# Altium PCB PCB_MotherBoard.PcbDoc (part 4 of 4)
Units mm, origin at the board's own origin, x right, y up, seen from the top; angles counter-clockwise.
Board outline 240 x 180 mm, 6 copper layers (Top Layer, Int1 (GND), Int2 (Sign), Int3 (Sign), Int4 (PWR), Bottom Layer), stack 1.481 mm thick; 214 components, 253 nets, 1237 pads, 870 vias.
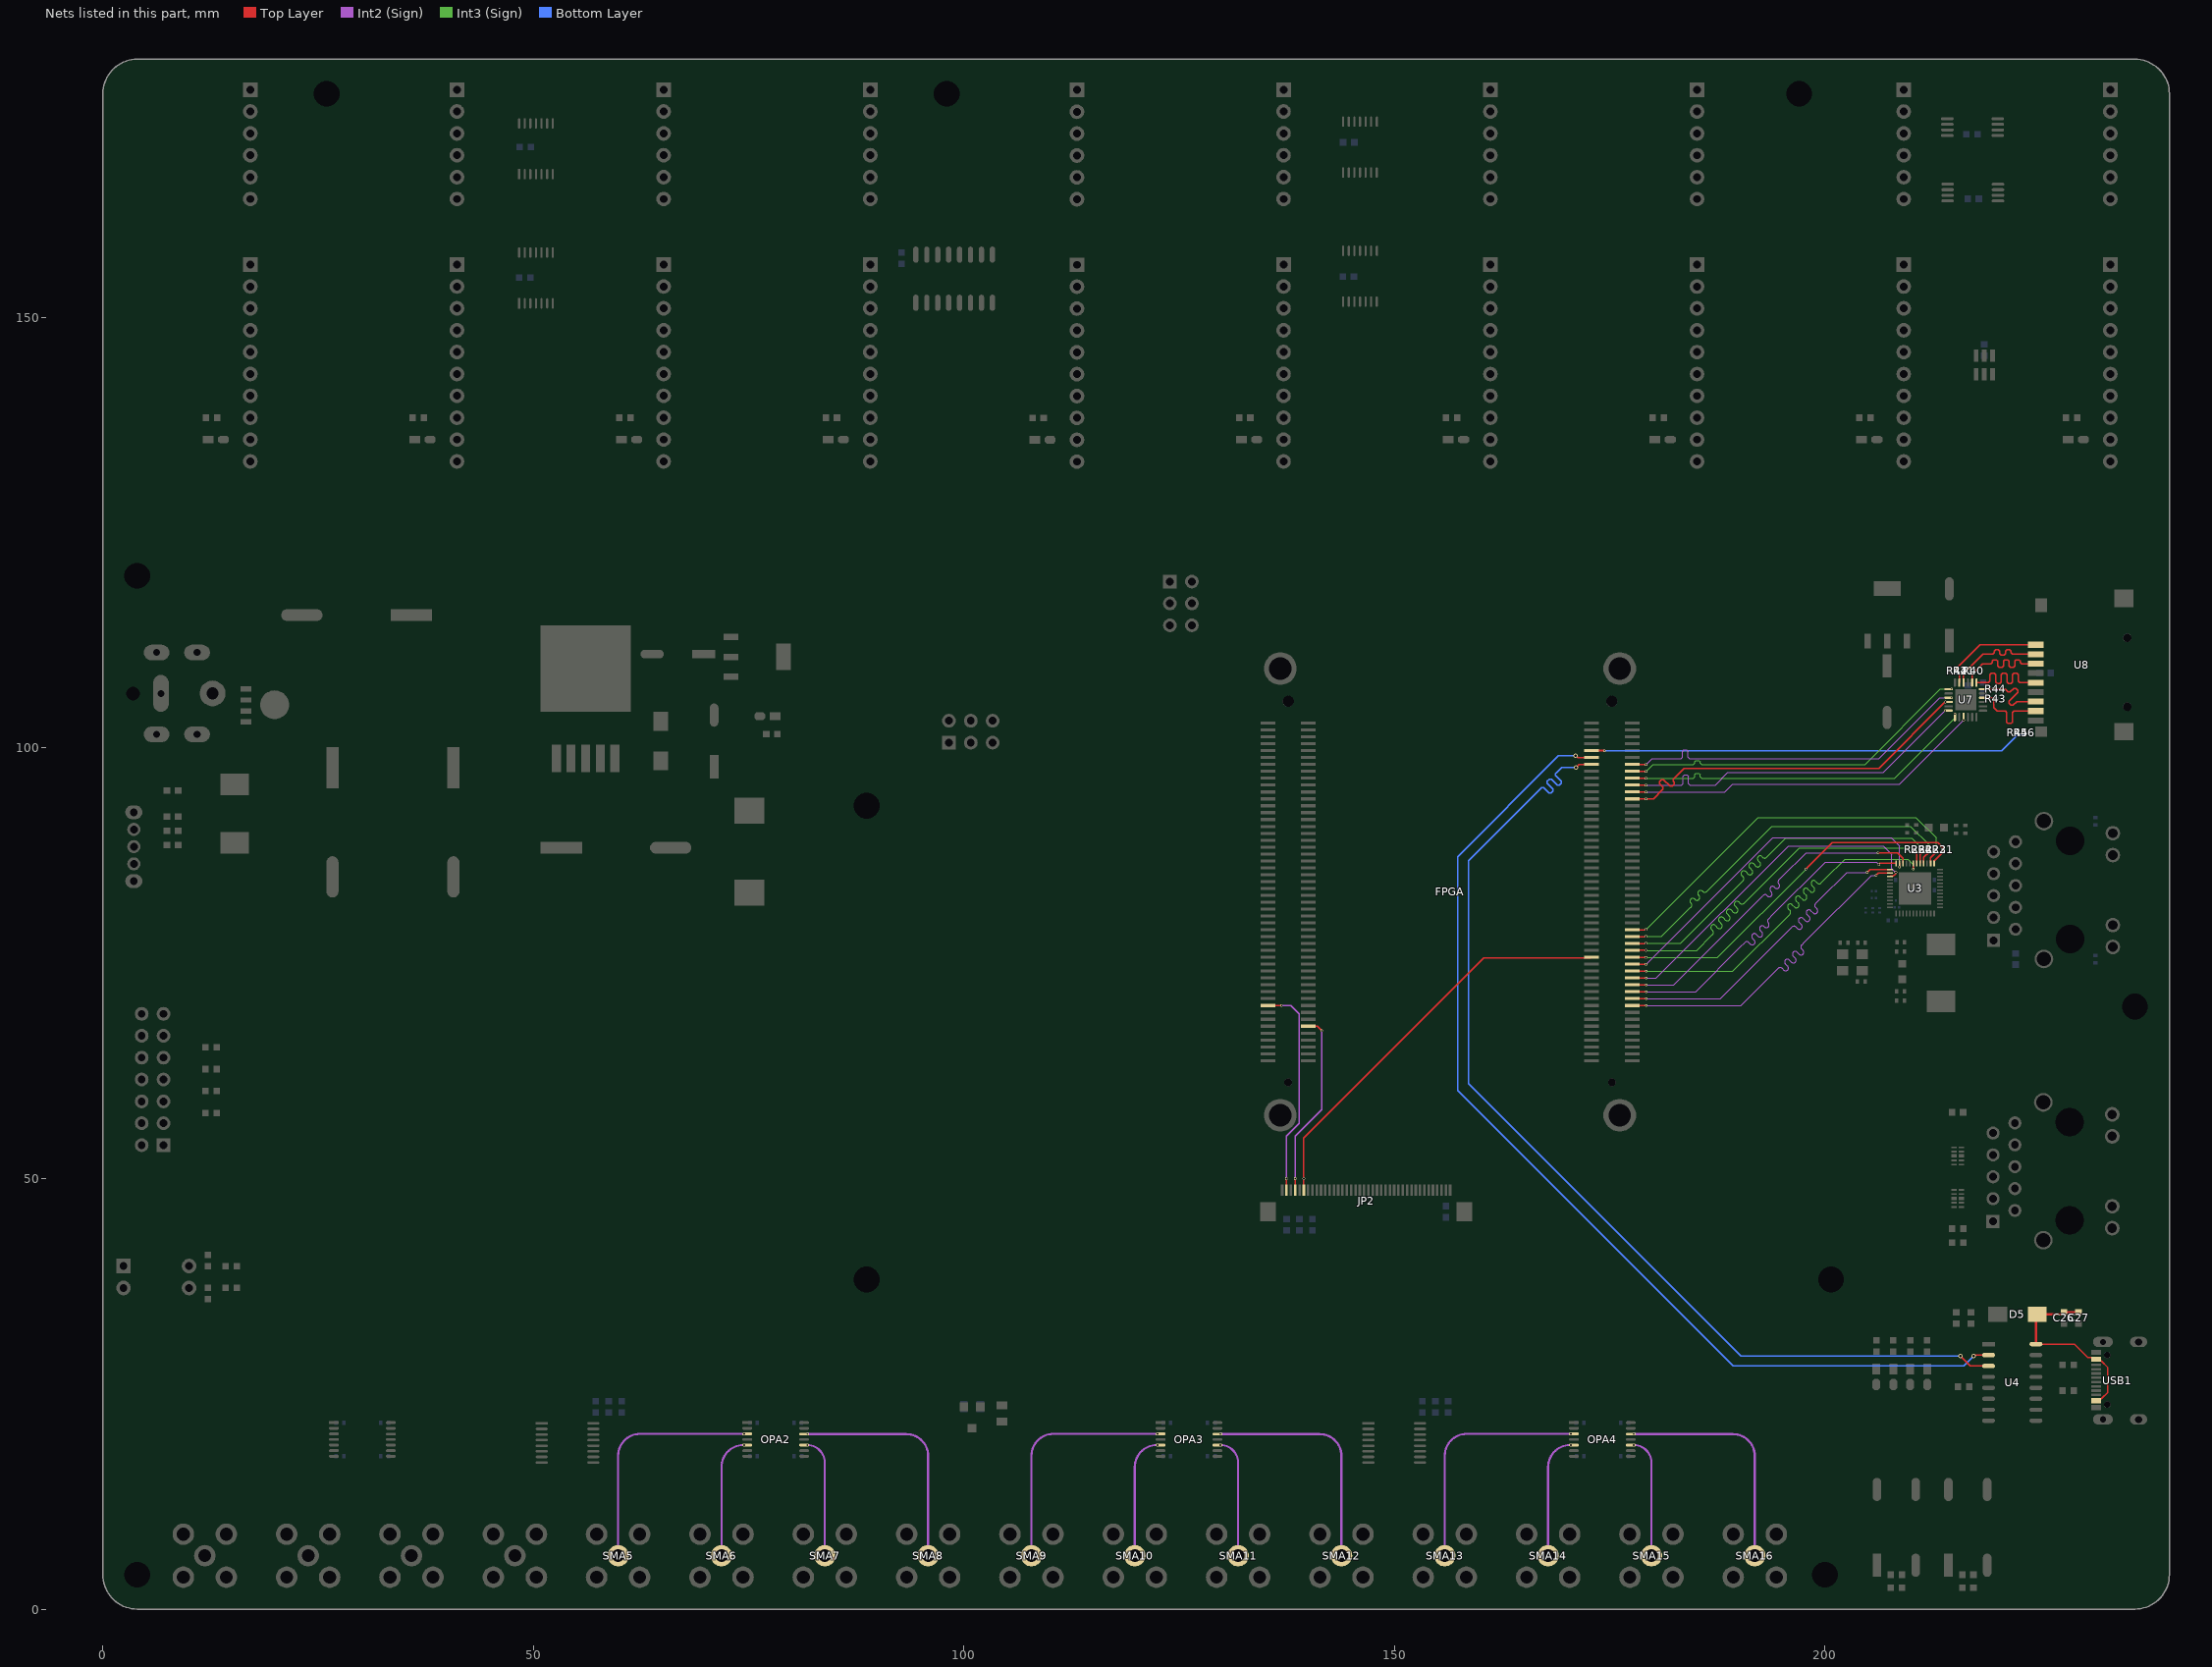
[diagram p8: the nets of this part, all layers, seen from the top]

## Via types
v1: diameter 0.3, hole 0.2, Top Layer to Bottom Layer, tented both sides, 435 vias
v2: diameter 0.5, hole 0.3, Top Layer to Bottom Layer, tented both sides, 268 vias
v3: diameter 0.5, hole 0.3, Top Layer to Bottom Layer, 118 vias
v4: diameter 0.35, hole 0.2, Top Layer to Bottom Layer, tented both sides, 16 vias
v5: diameter 1, hole 0.6, Top Layer to Bottom Layer, tented both sides, 12 vias
v6: diameter 0.45, hole 0.3, Top Layer to Bottom Layer, tented both sides, 12 vias
v7: diameter 0.61, hole 0.305, Top Layer to Bottom Layer, tented both sides, 4 vias
v8: diameter 2, hole 1.5, Top Layer to Bottom Layer, 4 vias
v9: diameter 0.6, hole 0.4, Top Layer to Bottom Layer, tented both sides, 1 vias

## Nets (pads, with @x,y where several pads share a name; then routed paths per layer and width w, separated by ;. In a path a pad name is that pad's centre, name@x,y a point inside that pad or via, vN(x,y) a via of type N, cw(c..) or ccw(c..) an arc to the next point about the centre after c; other vN are vias at no path point) (continued)
RAWIN5: OPA2.3 SMA5.1 | length 27.7
  Int2 (Sign) w0.254: SMA5.1@59.85,6.2 59.85,17.81 cw(c62.39,17.81) 62.39,20.35 v1(74.5,20.35)
RAWIN6: OPA2.5 SMA6.1 | length 14.4
  Int2 (Sign) w0.254: SMA6.1@71.85,6.2 71.85,16.51 cw(c74.39,16.51) 74.39,19.05 v1(74.5,19.05)
RAWIN7: OPA2.10 SMA7.1 | length 14
  Int2 (Sign) w0.254: v1(81.8,19.05) cw(c81.8,17) 83.85,17 SMA7.1@83.85,6.2
RAWIN8: OPA2.12 SMA8.1 | length 27.1
  Int2 (Sign) w0.254: v1(81.8,20.325) 93.31,20.325 cw(c93.31,17.785) 95.85,17.785 SMA8.1@95.85,6.2
RAWIN9: OPA3.3 SMA9.1 | length 27.7
  Int2 (Sign) w0.254: SMA9.1@107.85,6.2 107.85,17.81 cw(c110.39,17.81) 110.39,20.35 v1(122.5,20.35)
RAWIN10: OPA3.5 SMA10.1 | length 14.4
  Int2 (Sign) w0.254: SMA10.1@119.85,6.2 119.85,16.51 cw(c122.39,16.51) 122.39,19.05 v1(122.5,19.05)
RAWIN11: OPA3.10 SMA11.1 | length 14
  Int2 (Sign) w0.254: v1(129.8,19.05) cw(c129.8,17) 131.85,17 SMA11.1@131.85,6.2
RAWIN12: OPA3.12 SMA12.1 | length 27.1
  Int2 (Sign) w0.254: v1(129.8,20.325) 141.31,20.325 cw(c141.31,17.785) 143.85,17.785 SMA12.1@143.85,6.2
RAWIN13: OPA4.3 SMA13.1 | length 27.7
  Int2 (Sign) w0.254: SMA13.1@155.85,6.2 155.85,17.81 cw(c158.39,17.81) 158.39,20.35 v1(170.5,20.35)
RAWIN14: OPA4.5 SMA14.1 | length 14.4
  Int2 (Sign) w0.254: SMA14.1@167.85,6.2 167.85,16.51 cw(c170.39,16.51) 170.39,19.05 v1(170.5,19.05)
RAWIN15: OPA4.10 SMA15.1 | length 14
  Int2 (Sign) w0.254: v1(177.8,19.05) cw(c177.8,17) 179.85,17 SMA15.1@179.85,6.2
RAWIN16: OPA4.12 SMA16.1 | length 27.1
  Int2 (Sign) w0.254: v1(177.8,20.325) 189.31,20.325 cw(c189.31,17.785) 191.85,17.785 SMA16.1@191.85,6.2
RGMII_RXC: FPGA.J2_28 U3.19 | length 45.2
  Top Layer w0.156: FPGA.J2_28@177.6,74.1 177.604,74.096 179.244,74.096 v1(179.248,74.092) ; v1(210.261,85.954) 210.264,85.957 210.264,86.604 U3.19@210.268,86.607
  Int3 (Sign) w0.142: v1(179.248,74.092) 189.306,74.092 195.872,80.658 195.922,80.708 ccw(c195.695,80.935) 195.922,81.162 195.74,81.344 cw(c195.968,81.572) 195.74,81.799 cw(c195.968,81.572) 196.195,81.799 196.458,81.536 ccw(c196.685,81.763) 196.912,81.536 ccw(c196.685,81.763) 196.912,81.99 196.649,82.253 cw(c196.876,82.48) 196.649,82.707 cw(c196.876,82.48) 197.103,82.707 197.366,82.445 ccw(c197.593,82.672) 197.82,82.445 ccw(c197.593,82.672) 197.82,82.899 197.558,83.162 cw(c197.785,83.389) 197.558,83.616 cw(c197.785,83.389) 198.012,83.616 198.275,83.353 ccw(c198.502,83.58) 198.729,83.353 ccw(c198.502,83.58) 198.729,83.808 198.466,84.07 cw(c198.693,84.298) 198.466,84.525 cw(c198.693,84.298) 198.921,84.525 199.103,84.343 ccw(c199.33,84.57) 199.557,84.343 200.127,84.913 202.324,87.109 209.613,87.109 210.261,86.462 v1(210.261,85.954)
RGMII_RXCTL: FPGA.J2_32 R21.2 U3.13 | length 44.1
  Top Layer w0.156: FPGA.J2_32@177.6,75.7 179.189,75.7 v1(179.222,75.667) ; v1(197.79,85.954) 200.838,89.002 213.081,89.002 213.741,88.341 213.741,87.914 212.667,86.84 U3.13@212.667,86.607
  Int3 (Sign) w0.142: v1(179.222,75.667) 187.528,75.667 v1@197.752,85.89
  other v1: 213.741,87.935
RGMII_RXD0: FPGA.J2_40 R23.2 U3.14 | length 45
  Top Layer w0.156: FPGA.J2_40@177.6,78.9 179.205,78.9 v1(179.222,78.918) ; U3.14@212.268,86.607 212.268,87.274 v1(212.928,87.935)
  Int3 (Sign) w0.142: v1(179.222,78.918) 186.068,85.763 187.158,86.854 192.261,91.956 210.558,91.956 212.928,89.586 v1(212.928,87.935)
RGMII_RXD1: FPGA.J2_38 R22.1 U3.16 | length 44.8
  Top Layer w0.156: FPGA.J2_38@177.6,78.1 179.205,78.1 v1(179.222,78.118) ; U3.16@211.467,86.607 211.467,87.287 v1(212.115,87.935)
  Int3 (Sign) w0.142: v1(179.222,78.118) 181.038,78.118 184.391,81.471 184.442,81.521 ccw(c184.215,81.748) 184.442,81.975 184.412,82.005 cw(c184.639,82.232) 184.412,82.459 cw(c184.639,82.232) 184.866,82.459 184.91,82.416 ccw(c185.137,82.643) 185.364,82.416 ccw(c185.137,82.643) 185.364,82.87 185.321,82.913 cw(c185.548,83.141) 185.321,83.368 cw(c185.548,83.141) 185.775,83.368 185.805,83.338 ccw(c186.032,83.565) 186.259,83.338 186.636,83.715 193.834,90.913 209.925,90.913 212.115,88.722 v1(212.115,87.935)
RGMII_RXD2: FPGA.J2_36 R24.2 U3.17 | length 44.9
  Top Layer w0.156: FPGA.J2_36@177.6,77.3 179.205,77.3 v1(179.222,77.318) ; U3.17@211.067,86.607 211.067,87.661 211.303,87.896 v1(211.303,87.935)
  Int3 (Sign) w0.142: v1(179.222,77.318) 183.21,77.318 190.436,84.544 190.487,84.594 ccw(c190.26,84.821) 190.487,85.049 190.35,85.186 cw(c190.577,85.413) 190.35,85.64 cw(c190.577,85.413) 190.804,85.64 191.063,85.381 ccw(c191.29,85.608) 191.517,85.381 ccw(c191.29,85.608) 191.517,85.836 191.258,86.094 cw(c191.485,86.322) 191.258,86.549 cw(c191.485,86.322) 191.713,86.549 191.972,86.29 ccw(c192.199,86.517) 192.426,86.29 ccw(c192.199,86.517) 192.426,86.744 192.241,86.929 cw(c192.469,87.156) 192.241,87.383 cw(c192.469,87.156) 192.696,87.383 192.758,87.32 ccw(c192.986,87.547) 193.213,87.32 193.782,87.889 195.436,89.544 210.075,89.544 211.303,88.316 v1(211.303,87.935)
RGMII_RXD3: FPGA.J2_34 R26.2 U3.18 | length 44.9
  Top Layer w0.156: FPGA.J2_34@177.6,76.5 177.618,76.518 179.209,76.518 v1(179.222,76.505) ; v1(210.49,87.935) 210.49,87.896 210.667,87.718 U3.18@210.667,86.607
  Int3 (Sign) w0.142: v1(179.222,76.505) 185.115,76.505 186.906,78.295 186.956,78.346 ccw(c186.729,78.573) 186.956,78.8 186.825,78.931 cw(c187.052,79.159) 186.825,79.386 cw(c187.052,79.159) 187.279,79.386 187.534,79.131 ccw(c187.761,79.358) 187.988,79.131 ccw(c187.761,79.358) 187.988,79.585 187.734,79.84 cw(c187.961,80.067) 187.734,80.294 cw(c187.961,80.067) 188.188,80.294 188.443,80.04 ccw(c188.67,80.267) 188.897,80.04 ccw(c188.67,80.267) 188.897,80.494 188.642,80.749 cw(c188.869,80.976) 188.642,81.203 cw(c188.869,80.976) 189.097,81.203 189.351,80.948 ccw(c189.578,81.175) 189.806,80.948 ccw(c189.578,81.175) 189.806,81.403 189.551,81.657 cw(c189.778,81.885) 189.551,82.112 cw(c189.778,81.885) 190.005,82.112 190.136,81.98 ccw(c190.364,82.208) 190.591,81.98 191.153,82.542 197.01,88.4 210.057,88.4 210.49,87.967 v1(210.49,87.935)
RGMII_TXC: FPGA.J2_24 U3.22 | length 40.4
  Top Layer w0.156: FPGA.J2_24@177.6,72.5 v1(179.248,72.5) ; v1(206.172,87.833) 208.432,87.833 209.067,87.198 U3.22@209.067,86.607
  Int2 (Sign) w0.142: v1(179.248,72.5) 182.457,72.5 192.321,82.365 192.826,82.869 cw(c193.053,82.642) 193.28,82.869 193.32,82.83 ccw(c193.547,83.057) 193.774,82.83 ccw(c193.547,83.057) 193.774,83.284 193.681,83.378 cw(c193.908,83.605) 193.681,83.832 cw(c193.908,83.605) 194.135,83.832 194.189,83.778 ccw(c194.416,84.005) 194.643,83.778 ccw(c194.416,84.005) 194.643,84.232 cw(c194.87,84.46) 194.643,84.687 195.061,85.105 197.803,87.846 206.159,87.846 v1(206.172,87.833)
RGMII_TXCTL: FPGA.J2_26 U3.27 | length 40.2
  Top Layer w0.156: FPGA.J2_26@177.6,73.3 v1(179.248,73.3) ; U3.27@207.56,85.1 207.582,85.122 207.94,85.122 208.202,85.383 208.202,85.545 v1(208.229,85.573)
  Int2 (Sign) w0.142: v1(179.248,73.3) 180.412,73.3 195.758,88.646 206.781,88.646 207.772,87.655 207.772,86.03 v1(208.229,85.573)
RGMII_TXD0: FPGA.J2_30 U3.23 | length 40.4
  Top Layer w0.156: FPGA.J2_30@177.6,74.9 177.61,74.89 179.212,74.89 v1(179.222,74.879) ; U3.23@208.667,86.607 208.67,86.604 208.67,86.207 v1(208.673,86.204)
  Int2 (Sign) w0.142: v1(179.222,74.879) 179.227,74.879 193.959,89.611 207.696,89.611 208.686,88.621 208.686,86.218 v1(208.673,86.204)
RGMII_TXD1: FPGA.J2_22 U3.24 | length 40.4
  Top Layer w0.156: FPGA.J2_22@177.6,71.7 v1(179.248,71.7) ; v1(206.248,86.487) 206.287,86.487 206.407,86.607 U3.24@208.268,86.607
  Int2 (Sign) w0.142: v1(179.248,71.7) 184.984,71.7 190.195,76.911 190.7,77.416 cw(c190.927,77.189) 191.154,77.416 191.336,77.234 ccw(c191.563,77.461) 191.791,77.234 ccw(c191.563,77.461) 191.791,77.688 191.574,77.905 cw(c191.801,78.132) 191.574,78.359 cw(c191.801,78.132) 192.028,78.359 192.226,78.161 ccw(c192.453,78.389) 192.68,78.161 ccw(c192.453,78.389) 192.68,78.616 192.483,78.813 cw(c192.71,79.04) 192.483,79.268 cw(c192.71,79.04) 192.937,79.268 192.971,79.233 ccw(c193.199,79.46) 193.426,79.233 ccw(c193.199,79.46) 193.426,79.687 cw(c193.653,79.915) 193.426,80.142 193.981,80.697 200.025,86.741 205.994,86.741 v1(206.248,86.487)
RGMII_TXD2: FPGA.J2_20 U3.25 | length 40.3
  Top Layer w0.156: FPGA.J2_20@177.6,70.9 v1(179.248,70.9) ; v1(204.902,85.573) 205.229,85.9 U3.25@207.56,85.9
  Int2 (Sign) w0.142: v1(179.248,70.9) 187.867,70.9 195.679,78.712 196.184,79.217 cw(c196.411,78.99) 196.638,79.217 196.807,79.047 ccw(c197.035,79.275) 197.262,79.047 ccw(c197.035,79.275) 197.262,79.502 197.008,79.755 cw(c197.235,79.983) 197.008,80.21 cw(c197.235,79.983) 197.462,80.21 197.716,79.956 ccw(c197.943,80.183) 198.17,79.956 ccw(c197.943,80.183) 198.17,80.41 197.917,80.664 cw(c198.144,80.891) 197.917,81.118 cw(c198.144,80.891) 198.371,81.118 198.625,80.865 ccw(c198.852,81.092) 199.079,80.865 ccw(c198.852,81.092) 199.079,81.319 198.91,81.488 cw(c199.137,81.715) 198.91,81.943 199.441,82.474 202.54,85.573 v1(204.902,85.573)
RGMII_TXD3: FPGA.J2_18 U3.26 | length 40.4
  Top Layer w0.156: FPGA.J2_18@177.6,70.1 v1(179.248,70.1) ; v1(205.943,85.217) 206.226,85.5 U3.26@207.56,85.5
  Int2 (Sign) w0.142: v1(179.248,70.1) 190.267,70.1 194.064,73.897 194.569,74.402 cw(c194.796,74.175) 195.023,74.402 195.205,74.22 ccw(c195.432,74.447) 195.659,74.22 ccw(c195.432,74.447) 195.659,74.674 195.404,74.929 cw(c195.631,75.156) 195.404,75.383 cw(c195.631,75.156) 195.859,75.383 196.114,75.128 ccw(c196.341,75.355) 196.568,75.128 ccw(c196.341,75.355) 196.568,75.583 196.313,75.838 cw(c196.54,76.065) 196.313,76.292 cw(c196.54,76.065) 196.767,76.292 196.993,76.066 ccw(c197.22,76.293) 197.447,76.066 ccw(c197.22,76.293) 197.447,76.521 197.295,76.673 cw(c197.522,76.9) 197.295,77.128 197.666,77.499 205.384,85.217 v1(205.943,85.217)
SD_CD: FPGA.J2_91 R45.1 R46.2 | length 51.1
  Top Layer w0.203: FPGA.J2_91@172.9,99.702 174.389,99.702 v1(174.396,99.695)
  Bottom Layer w0.156: v1(174.396,99.695) 220.52,99.695 222.375,101.55 R45.1@222.4,101.55 R46.2@223.2,101.55
SD_CLK: FPGA.J2_80 U7.9 | length 42
  Top Layer w0.156: FPGA.J2_80@177.6,94.901 v1(179.222,94.901)
  Int2 (Sign) w0.142: v1(179.222,94.901) 188.348,94.901 189.281,95.834 208.686,95.834 v1(216.103,103.251)
SD_CMD: FPGA.J2_78 U7.4 | length 43.3
  Top Layer w0.156: FPGA.J2_78@177.6,94.101 v1(179.222,94.101) 180.08,94.101 181.14,95.161 181.195,95.216 181.195,95.449 180.791,95.853 180.791,96.085 181.023,96.317 181.255,96.317 182.011,95.561 182.243,95.561 182.475,95.793 182.475,96.025 182.356,96.145 182.356,96.377 182.766,96.787 183.617,97.638 206.26,97.638 213.981,105.359 v1(213.995,105.359)
SD_D0: FPGA.J2_82 U7.6 | length 41.9
  Top Layer w0.156: FPGA.J2_82@177.6,95.702 v1(179.222,95.702)
  Int2 (Sign) w0.142: v1(179.222,95.702) 183.286,95.702 183.358,95.702 183.518,95.863 183.518,96.721 183.679,96.881 184,96.881 184.161,96.721 184.161,95.863 184.321,95.702 185.42,95.702 187.269,95.702 188.722,97.155 206.781,97.155 v1(213.97,104.343)
SD_D1: FPGA.J2_84 U7.7 | length 41.6
  Top Layer w0.156: FPGA.J2_84@177.6,96.502 v1(179.222,96.502)
  Int3 (Sign) w0.142: v1(179.222,96.502) 184.633,96.502 184.704,96.502 184.864,96.663 184.864,96.921 185.025,97.082 185.346,97.082 185.507,96.921 185.507,96.663 185.668,96.502 186.512,96.502 208.084,96.502 215.087,103.505 v1(215.087,103.962)
SD_D2: FPGA.J2_86 U7.1 | length 41.6
  Top Layer w0.156: FPGA.J2_86@177.6,97.302 v1(179.222,97.302)
  Int3 (Sign) w0.142: v1(179.222,97.302) 180.015,98.095 184.633,98.095 184.704,98.095 184.864,98.255 184.864,98.408 185.025,98.568 185.346,98.568 185.507,98.408 185.507,98.255 185.668,98.095 186.157,98.095 204.648,98.095 213.411,106.858 v1(214.706,106.858)
SD_D3: FPGA.J2_88 U7.3 | length 42
  Top Layer w0.156: FPGA.J2_88@177.6,98.102 v1(179.222,98.102)
  Int2 (Sign) w0.142: v1(179.222,98.102) 179.901,98.781 183.21,98.781 183.281,98.781 183.442,98.941 183.442,99.629 183.603,99.79 183.924,99.79 184.085,99.629 184.085,98.941 184.245,98.781 185.471,98.781 206.248,98.781 213.309,105.842 v1(214.706,105.842)
SDAT0: R44.1 U7.18 U8.7 | length 9.8
  Top Layer w0.156: U7.18@218.35,106.85 218.367,106.867 220.933,106.867 221.229,106.571 221.285,106.515 221.517,106.515 221.917,106.916 222.149,106.916 222.381,106.684 222.381,106.452 221.356,105.427 221.356,105.195 221.588,104.962 221.82,104.962 222.259,105.401 223.659,105.401 U8.7@224.475,105.401
  other v1: 219.558,106.883
SDAT1: R43.1 U7.16 U8.8 | length 9.8
  Top Layer w0.156: U7.16@218.35,105.85 218.368,105.832 218.809,105.832 218.814,105.827 219.406,105.827 v1@219.519,105.715 ; v1(219.558,105.715) 219.585,105.687 219.585,104.722 220.006,104.301 220.218,104.301 220.953,104.301 221.117,104.137 221.117,103.016 221.281,102.852 221.609,102.852 221.773,103.016 221.773,104.137 221.937,104.301 222.453,104.301 U8.8@224.475,104.301
SDAT2: R42.1 U7.23 U8.1 | length 12
  Top Layer w0.156: U7.23@215.6,107.6 U7.23@215.6,107.6 215.598,108.518 215.392,108.724 215.392,109.372 218.021,112.001 U8.1@224.475,112.001
  other v1: 215.392,108.763
SDAT3: R41.1 U7.22 U8.2 | length 11.9
  Top Layer w0.156: U7.22@216.1,107.6 216.1,108.619 216.205,108.724 v1(216.205,108.763) 218.343,110.901 219.402,110.901 219.48,110.901 219.644,111.066 219.644,111.274 219.808,111.438 220.136,111.438 220.3,111.274 220.3,110.976 220.465,110.812 220.793,110.812 220.957,110.976 220.957,111.274 221.121,111.438 221.449,111.438 221.613,111.274 221.613,111.066 221.778,110.901 222.092,110.901 U8.2@224.475,110.901
SDCLK: U7.19 U8.5 | length 12.5
  Top Layer w0.156: U7.19@217.6,107.6 218,107.6 218.001,107.601 218.923,107.601 219.001,107.601 219.165,107.766 219.165,108.511 219.329,108.675 219.657,108.675 219.821,108.511 219.821,107.674 219.986,107.51 220.314,107.51 220.478,107.674 220.478,108.511 220.642,108.675 220.97,108.675 221.134,108.511 221.134,107.674 221.298,107.51 221.627,107.51 221.791,107.674 221.791,108.511 221.955,108.675 222.283,108.675 222.447,108.511 222.447,107.766 222.611,107.601 222.733,107.601 U8.5@224.475,107.601
SDCMD: R40.1 U7.20 U8.3 | length 12.1
  Top Layer w0.156: U7.20@217.1,107.6 217.1,108.578 217.246,108.724 v1(217.246,108.763) 218.285,109.801 219.168,109.801 219.246,109.801 219.41,109.966 219.41,110.096 219.574,110.26 219.903,110.26 220.067,110.096 220.067,109.563 220.231,109.399 220.559,109.399 220.723,109.563 220.723,110.096 220.887,110.26 221.215,110.26 221.38,110.096 221.38,109.563 221.544,109.399 221.872,109.399 222.036,109.563 222.036,110.096 222.2,110.26 222.528,110.26 222.692,110.096 222.692,109.966 222.857,109.801 223.223,109.801 U8.3@224.475,109.801
T_CS: FPGA.J2_31 JP2.6 | length 48.2
  Top Layer w0.156: JP2.6@139.475,48.65 139.477,48.652 139.477,49.998 v1(139.479,50) 139.479,54.729 160.372,75.622 172.822,75.622 FPGA.J2_31@172.9,75.7
T_MISO: FPGA.J1_12 JP2.4 | length 21.6
  Top Layer w0.156: JP2.4@138.475,48.65 v1(138.475,50) ; FPGA.J1_12@140.016,67.7 140.028,67.688 141.037,67.688 v1(141.55,67.175)
  Int2 (Sign) w0.156: v1(138.475,50) 138.475,54.95 141.55,58.025 v1(141.55,67.175)
T_PEN: FPGA.J1_17 JP2.2 | length 25.1
  Top Layer w0.156: FPGA.J1_17@135.316,70.1 v1(136.9,70.1) ; JP2.2@137.475,48.65 v1(137.475,50)
  Int2 (Sign) w0.156: v1(136.9,70.1) 137.95,70.1 138.95,69.1 138.95,56.425 137.475,54.95 v1(137.475,50)
UART1_RXD: FPGA.J2_89 U4.2 | length 123.1
  Top Layer w0.156: v2(171.025,99.125) 171.118,99.125 171.341,98.902 FPGA.J2_89@172.9,98.902 ; v2(217.275,29.375) 217.368,29.375 217.498,29.505 U4.2@218.999,29.505
  Bottom Layer w0.156: v2(171.025,99.125) 169.058,99.125 157.325,87.392 157.325,60.251 189.326,28.25 216.15,28.25 v2(217.275,29.375)
UART1_TXD: FPGA.J2_87 U4.3 | length 123.1
  Top Layer w0.156: v2(171.075,97.75) 171.133,97.75 171.447,98.063 172.862,98.063 FPGA.J2_87@172.9,98.102 ; v2(215.725,29.375) 216.865,28.235 U4.3@218.999,28.235
  Bottom Layer w0.156: v2(171.075,97.75) 169.425,97.75 168.812,97.137 168.719,97.044 168.719,96.812 169.362,96.17 169.362,95.938 169.129,95.706 168.897,95.706 168.219,96.384 167.986,96.384 167.754,96.152 167.754,95.92 168.438,95.237 168.438,95.005 168.206,94.773 167.973,94.773 167.327,95.42 167.095,95.42 166.575,94.9 158.6,86.925 158.6,61.008 190.233,29.375 v2(215.725,29.375)
USB: C26.2 C27.2 D5.2 U4.16 USB1.A4 USB1.A9 USB1.B4 USB1.B9 | length 23
  Top Layer w0.18: U4.16@224.503,30.775 228.966,30.775 230.513,29.227 231.416,29.227 USB1.A9@231.476,29.167 USB1.B4@231.476,28.867 231.536,28.807 232.104,28.807 232.851,28.06 232.851,25.176 232.103,24.427 231.54,24.427 USB1.B9@231.48,24.367 USB1.A4@231.48,24.067 ; D5.2@224.503,34.107 D5.2@224.651,34.255 ; C26.2@227.526,34.255 C26.2@227.751,34.48
  Top Layer w0.305: U4.16@224.503,30.775 D5.2@224.503,34.107 ; D5.2@224.651,34.255 C26.2@227.526,34.255 ; C26.2@227.751,34.48 C27.2@229.451,34.48
pads on no net: CFCLK1.3 CFCLK1.6 CFCLK2.3 CFCLK2.6 CFDIN1.3 CFDIN1.6 CFDIN2.3 CFDIN2.6 CHCLK.5 CHCLK.7 CHDIN.5 CHDIN.7 CON1.4 FPGA. FPGA.0 FPGA.J1_9 FPGA.J1_10 FPGA.J1_15 FPGA.J1_48 FPGA.J1_50 FPGA.J1_53 FPGA.J1_54 FPGA.J1_55 FPGA.J1_56 FPGA.J1_57 FPGA.J1_58 FPGA.J1_60 FPGA.J1_62 FPGA.J1_64 FPGA.J1_67 FPGA.J1_72 FPGA.J1_76 FPGA.J1_78 FPGA.J1_85 FPGA.J1_87 FPGA.J1_91 FPGA.J1_92 FPGA.J2_13 FPGA.J2_15 FPGA.J2_17 FPGA.J2_19 FPGA.J2_21 FPGA.J2_23 FPGA.J2_25 FPGA.J2_27 FPGA.J2_33 FPGA.J2_35 FPGA.J2_37 FPGA.J2_39 FPGA.J2_41 FPGA.J2_43 FPGA.J2_45 FPGA.J2_46 FPGA.J2_47 FPGA.J2_48 FPGA.J2_49 FPGA.J2_51 FPGA.J2_52 FPGA.J2_53 FPGA.J2_54 FPGA.J2_56 FPGA.J2_58 FPGA.J2_59 FPGA.J2_60 FPGA.J2_61 FPGA.J2_64 FPGA.J2_65 FPGA.J2_66 FPGA.J2_67 FPGA.J2_68 FPGA.J2_69 FPGA.J2_70 FPGA.J2_71 FPGA.J2_72 FPGA.J2_73 FPGA.J2_74 FPGA.J2_75 FPGA.J2_83 FPGA.J2_85 FPGA.J2_93 FPGA.J2_94 FPGA.J2_96 JP1_U_CardSlot1.13 JP1_U_CardSlot2.13 JP1_U_CardSlot3.13 JP1_U_CardSlot4.13 JP1_U_CardSlot5.13 JP1_U_CardSlot6.13 JP1_U_CardSlot7.13 JP1_U_CardSlot8.13 JP1_U_CardSlot9.13 JP1_U_CardSlot10.13 JP2.0 JTAG.12 JTAG.14 RJ1.NPTH RJ2.NPTH S1.0 S1.3 U3.12 U3.20 U3.33 U3.46 U4.7 U4.8 U4.9 U4.10 U4.11 U4.12 U4.13 U4.14 U4.15 U6.3 U7.8 U7.10 U7.12 U7.13 U7.14 U7.15 USB1. USB1.0 USB1.A8 USB1.B8

## Polygon pours and split planes (outlines as drawn)
GND on Top Layer "GND_ADC" (solid, remove dead copper, pour order 22): 0,31.5 0,0 202.5,0 202.5,15 186,31.5
24V on Top Layer "24V_L01_P020" (solid, pour order 20): 13.5,97.2 13.5,94.3 13.9,93.9 21.7,93.9 21.7,98.737
GND on Top Layer "GND_L01_P019" (solid, pour order 19): 25,88 42.5,88 42.5,82 25,82
24V on Top Layer "24V_L01_P018" (solid, pour order 18): 21.5,109.5 24.3,112.3 29.1,112.3 33.7,116.9 39.6,116.9 46.6,109.9 46.6,93.9 21.5,93.9
GND on Top Layer "Top Layer-GND" (solid, pour order 17): 18.5,114 25.9,114 27.5,115.6 27.5,122.5 18.5,122.5
GND on Top Layer "GND_L01_P013" (solid, pour order 13): 71.7,102.4 67.7,102.4 67.7,105.6 71.7,105.6
3V3 on Top Layer "3V3_L01_P010" (solid, pour order 10): 68.4,111.5 68.4,110.4 71.2,110.4 71.5,110.1 73.6,110.1 74.7,109 80,109 80,112.2 74.3,112.2 73.6,111.5
GND on Top Layer "GND_L01_P008" (solid, pour order 8): 63.5,89.5 63.5,86 69.5,86 69.5,89.5
GND on Top Layer "GND_L01_P007" (solid, pour order 7): 50.8,114.2 50.8,102.2 65.8,102.2 65.8,114.2
NetC1_2 on Top Layer "NETC1_2_L01_P003" (solid, pour order 3): 10.5,104.8 11.287,104.013 17.3,104.013 17.3,107.2 16.2,108.3 10.5,108.3
5V on Top Layer "5V_L01_P001" (solid, pour order 1): 57.1,92.825 58.9,91.025 77.5,91.025 77.5,102.2 74.1,102.2 71.325,99.425 68.5,99.425 65.1,96.025 58.9,96.025 58.4,96.525 58.4,100.425 57.1,100.425
24V on Top Layer "24V_L01_P000" (solid, pour order 0): 50.5,82.025 50.5,100.825 53.4,100.825 53.4,93.625 56.6,90.425 56.6,82.025
GND on Int1 (GND) (split plane): 236.249,179.483 236.497,179.456 236.742,179.412 236.984,179.35 237.22,179.272 237.45,179.176 237.673,179.065 237.888,178.937 238.092,178.795 238.287,178.639 238.469,178.469 238.639,178.287 238.795,178.092 238.937,177.888 239.065,177.673 239.176,177.45 239.272,177.22 239.35,176.984 239.412,176.742 239.456,176.497 239.483,176.249 239.491,176.016 239.49,176 239.49,4 239.491,3.984 239.483,3.751 239.456,3.503 239.412,3.258 239.35,3.016 239.272,2.78 239.176,2.55 239.065,2.327 238.937,2.112 238.795,1.908 238.639,1.713 238.469,1.531 238.287,1.361 238.092,1.205 237.888,1.063 237.673,0.935 237.45,0.824 237.22,0.728 236.984,0.65 236.742,0.588 236.497,0.544 236.249,0.517 236.016,0.509 236,0.51 4,0.51 3.984,0.509 3.751,0.517 3.503,0.544 3.258,0.588 3.016,0.65 2.78,0.728 2.55,0.824 2.327,0.935 2.112,1.063 1.908,1.205 1.713,1.361 1.531,1.531 1.361,1.713 1.205,1.908 1.063,2.112 0.935,2.327 0.824,2.55 0.728,2.78 0.65,3.016 0.588,3.258 0.544,3.503 0.517,3.751 0.509,3.984 0.51,4 0.51,176 0.509,176.016 0.517,176.249 0.544,176.497 0.588,176.742 0.65,176.984 0.728,177.22 0.824,177.45 0.935,177.673 1.063,177.888 1.205,178.092 1.361,178.287 1.531,178.469 1.713,178.639 1.908,178.795 2.112,178.937 2.327,179.065 2.55,179.176 2.78,179.272 3.016,179.35 3.258,179.412 3.503,179.456 3.751,179.483 3.984,179.491 4,179.49 236,179.49 236.016,179.491
5V on Int4 (PWR) (split plane): 89.728,75 89.736,74.858 89.76,74.717 89.799,74.58 89.854,74.448 89.923,74.323 90.006,74.207 90.101,74.101 90.207,74.006 90.323,73.923 90.448,73.854 90.58,73.799 90.717,73.76 90.858,73.736 91,73.728 131.703,73.728 131.703,38.125 131.711,37.983 131.735,37.842 131.774,37.705 131.829,37.573 131.898,37.449 131.981,37.332 132.076,37.226 132.182,37.131 132.298,37.048 132.423,36.979 132.555,36.925 132.692,36.885 132.833,36.861 132.975,36.853 239.49,36.853 239.49,4 239.491,3.984 239.483,3.751 239.456,3.503 239.412,3.258 239.35,3.016 239.272,2.78 239.176,2.55 239.065,2.327 238.937,2.112 238.795,1.908 238.639,1.713 238.469,1.531 238.287,1.361 238.092,1.205 237.888,1.063 237.673,0.935 237.45,0.824 237.22,0.728 236.984,0.65 236.742,0.588 236.497,0.544 236.249,0.517 236.016,0.509 236,0.51 4,0.51 3.984,0.509 3.751,0.517 3.503,0.544 3.258,0.588 3.016,0.65 2.78,0.728 2.55,0.824 2.327,0.935 2.112,1.063 1.908,1.205 1.713,1.361 1.531,1.531 1.361,1.713 1.205,1.908 1.063,2.112 0.935,2.327 0.824,2.55 0.728,2.78 0.65,3.016 0.588,3.258 0.544,3.503 0.517,3.751 0.509,3.984 0.51,4 0.51,31.728 38,31.728 38.142,31.736 38.283,31.76 38.42,31.799 38.552,31.854 38.677,31.923 38.793,32.006 38.899,32.101 67.399,60.601 67.494,60.707 67.577,60.823 67.646,60.948 67.701,61.08 67.74,61.217 67.764,61.358 67.772,61.5 67.772,100.728 89.728,100.728
3V3 on Int4 (PWR) (split plane): 239.49,39.397 134.247,39.397 134.247,75 134.239,75.142 134.215,75.283 134.176,75.42 134.121,75.552 134.052,75.677 133.969,75.793 133.874,75.899 133.768,75.994 133.652,76.077 133.527,76.146 133.395,76.201 133.258,76.24 133.117,76.264 132.975,76.272 92.272,76.272 92.272,102 92.264,102.142 92.24,102.283 92.201,102.42 92.146,102.552 92.077,102.677 91.994,102.793 91.899,102.899 91.793,102.994 91.677,103.077 91.552,103.146 91.42,103.201 91.283,103.24 91.142,103.264 91,103.272 66.5,103.272 66.358,103.264 66.217,103.24 66.08,103.201 65.948,103.146 65.823,103.077 65.707,102.994 65.601,102.899 65.506,102.793 65.423,102.677 65.354,102.552 65.299,102.42 65.26,102.283 65.236,102.142 65.228,102 65.228,62.027 37.473,34.272 0.51,34.272 0.51,77.728 58,77.728 58.142,77.736 58.283,77.76 58.42,77.799 58.552,77.854 58.677,77.923 58.793,78.006 58.899,78.101 58.994,78.207 59.077,78.323 59.146,78.448 59.201,78.58 59.24,78.717 59.264,78.858 59.272,79 59.272,127.728 239.49,127.728
24V on Int4 (PWR) (split plane): 236.249,179.483 236.497,179.456 236.742,179.412 236.984,179.35 237.22,179.272 237.45,179.176 237.673,179.065 237.888,178.937 238.092,178.795 238.287,178.639 238.469,178.469 238.639,178.287 238.795,178.092 238.937,177.888 239.065,177.673 239.176,177.45 239.272,177.22 239.35,176.984 239.412,176.742 239.456,176.497 239.483,176.249 239.491,176.016 239.49,176 239.49,130.272 58,130.272 57.858,130.264 57.717,130.24 57.58,130.201 57.448,130.146 57.323,130.077 57.207,129.994 57.101,129.899 57.006,129.793 56.923,129.677 56.854,129.552 56.799,129.42 56.76,129.283 56.736,129.142 56.728,129 56.728,80.272 0.51,80.272 0.51,176 0.509,176.016 0.517,176.249 0.544,176.497 0.588,176.742 0.65,176.984 0.728,177.22 0.824,177.45 0.935,177.673 1.063,177.888 1.205,178.092 1.361,178.287 1.531,178.469 1.713,178.639 1.908,178.795 2.112,178.937 2.327,179.065 2.55,179.176 2.78,179.272 3.016,179.35 3.258,179.412 3.503,179.456 3.751,179.483 3.984,179.491 4,179.49 236,179.49 236.016,179.491

## Keep-outs
Keep-Out Layer:
  the board outline again, w0.254

## Other copper
Int4 (PWR) (plane layer: these items are gaps in the copper):
  lines w2.54: 0,33 38,33 66.5,61.5 66.5,102 91,102 91,75 132.975,75 132.975,38.125 240.005,38.125 ; 0,79 58,79 58,129 240,129

## Silkscreen, mask and mechanical layers (free items; w line width, h text height)
Top Overlay:
  drawing of 87 lines, arcs and shapes, not listed
  text "PWR" at 4.826,175.708 h1.27
  text "GND" at 4.826,173.168 h1.27
  text "CLK" at 4.826,170.628 h1.27
  text "DIN" at 4.826,168.088 h1.27
  text "GND" at 4.826,165.548 h1.27
  text "PWR" at 4.826,163.008 h1.27
  text "GND" at 4.826,155.388 h1.27
  text "AD0" at 4.826,152.848 h1.27
  text "AD1" at 4.826,150.308 h1.27
  text "AD2" at 4.826,147.768 h1.27
  text "EN" at 4.826,145.228 h1.27
  text "GND" at 4.826,142.688 h1.27
  text "LSI" at 4.826,140.148 h1.27
  text "LSO" at 4.826,137.608 h1.27
  text "GND" at 4.826,135.068 h1.27
  text "PWR" at 4.826,132.528 h1.27
  text "Slot #1" at 10.254,127.254 h1.52
  text "Slot #2" at 34.254,127.254 h1.52
  text "Slot #3" at 58.254,127.254 h1.52
  text "Slot #4" at 82.254,127.254 h1.52
  text "Slot #5" at 106.254,127.254 h1.52
  text "Slot #6" at 130.254,127.254 h1.52
  text "Slot #7" at 154.254,127.254 h1.52
  text "Slot #8" at 178.254,127.254 h1.52
  text "Slot #9" at 202.254,127.254 h1.52
  text "Slot #10" at 226.254,127.254 h1.52
  text "Low-Speed x8" at 90.381,122.016 h1.91
  text "High-Speed x2" at 208.381,122.016 h1.91
  text "24V" at 52.984,119.578 h0.76
  text "3V3" at 60.984,119.578 h0.76
  text "5V" at 69.365,119.578 h0.76
  text "GND" at 76.984,119.578 h0.76
  text "24V" at 119.054,118.754 h1.02
  text "GND" at 128.824,118.754 h1.02
  text "5V" at 119.054,116.214 h1.02
  text "GND" at 128.824,116.214 h1.02
  text "Input: 24V" at 1.504,113.762 h1.52
  text "3V3" at 119.054,113.674 h1.02
  text "GND" at 128.824,113.674 h1.02
  text "GND" at 98.846,105.524 h1.02 r90
  text "GND" at 101.386,105.524 h1.02 r90
  text "GND" at 103.926,105.524 h1.02 r90
  text "GP0" at 98.846,95.754 h1.02 r90
  text "GP1" at 101.386,95.754 h1.02 r90
  text "GP2" at 103.926,95.754 h1.02 r90
  text "SW" at 1.754,94.254 h1.52
  text "PL GbE" at 227.508,93.408 h1.91
  text "JTAG" at 1.254,77.004 h1.52
  text "MotherBoard" at 21.956,74.256 h1.52
  text "Light the Way Forward" at 42.7,73.459 h3.05
  text "Version" at 22.427,72.227 h0.76
  text "M2 (BETA)" at 28.431,72.227 h0.76
  text "Channel" at 22.554,70.727 h0.76
  text "32x(8+2)=320" at 28.431,70.727 h0.76
  text "> FIONA Toolchain by HKUST" at 45.5,69.991 h0.89
  text "Power" at 23.95,69.227 h0.76
  text "400W (PEAK)" at 28.309,69.227 h0.76
  text "*GitHub: https://github.com/hkust-fiona/" at 45.5,68.236 h0.69
  text "Bit" at 25.728,67.727 h0.76
  text "12 (DAC/ADC)" at 28.494,67.727 h0.76
  text "PS GbE" at 227.508,60.708 h1.91
  text "FPC Connector Pinout" at 31.354,57.954 h1.52
  text "GSSSS" at 24.378,55.628 h0.91
  text "GSSSS" at 29.878,55.628 h0.91
  text "GSSSS" at 35.278,55.628 h0.91
  text "GSSSS" at 40.678,55.628 h0.91
  text "SSSSG" at 46.578,55.628 h0.91
  text "SSSSG" at 51.978,55.628 h0.91
  text "SSSSG" at 57.378,55.628 h0.91
  text "SSSSG" at 62.878,55.628 h0.91
  text "* G: Ground" at 25.203,52.103 h1.27
  text ">>> 40 Pin Total" at 47.403,52.103 h1.27
  text "* S: Signal" at 25.203,50.226 h1.27
  text ">>> 32 Pin In-Use" at 47.403,50.015 h1.27
  text "MODE" at 1.504,43.004 h1.52
  text "BOOT" at 25.654,42.304 h1.52
  text "1" at 34.354,42.304 h1.52
  text "2" at 38.854,42.304 h1.52
  text "*DAC: 0-23V 50mA kHz per channel" at 45.954,41.777 h1.27
  text "LCD Screen" at 138.804,40.479 h1.52
  text "JTAG" at 26.103,39.353 h1.02
  text "ON" at 33.803,39.253 h1.02
  text "ON" at 38.603,39.253 h1.02
  text "*ADC: 0-4.096V 500kS per channel" at 45.954,38.877 h1.27
  text "NAND" at 26.103,36.953 h1.02
  text "OFF" at 33.295,36.878 h1.02
  text "ON" at 38.603,36.878 h1.02
  text "QSPI" at 26.103,34.553 h1.02
  text "ON" at 33.803,34.503 h1.02
  text "OFF" at 38.095,34.503 h1.02
  text "USB" at 233.272,34.238 h1.91
  text "SD CARD" at 25.003,32.253 h1.02
  text "OFF" at 33.295,32.128 h1.02
  text "OFF" at 38.095,32.128 h1.02
  text "REF" at 99.379,25.304 h1.52
  text "Mar 15, 2023" at 226.814,1.524 h0.89
Top Solder:
  lines w1: 6.8,1.25 196.8,1.25 196.8,14 6.8,14 6.8,1.25
Drill Drawing:
  text ".Legend" at 287.172,86.08 h1.52

## Text inside footprints (layer, text, board x,y; h text height)
JTAG: Top Overlay "2" at 5.019,47.285 h1.02 r90; Top Overlay "1" at 7.559,47.539 h1.02 r90; Top Overlay "14" at 5.222,74.514 h1.02 r90; Top Overlay "13" at 7.762,74.514 h1.02 r90
SW1: Top Overlay "ON" at 7.988,39.586 h1.52 r270
U8: Top Overlay "Cd" at 225.771,102.883 h0.76; Top Overlay "8" at 226.33,104.229 h0.76 r90; Top Overlay "7" at 226.355,105.347 h0.76 r90; Top Overlay "6" at 226.355,106.413 h0.76 r90; Top Overlay "5" at 226.355,107.48 h0.76 r90; Top Overlay "4" at 226.38,108.547 h0.76 r90; Top Overlay "3" at 226.38,109.741 h0.76 r90; Top Overlay "2" at 226.38,110.808 h0.76 r90; Top Overlay "1" at 226.406,111.9 h0.76 r90